# Altium PCB BPod Panel Due.PcbDoc (part 3 of 5)
Units mm, origin at the board's own origin, x right, y up, seen from the top; angles counter-clockwise.
Board outline 420 x 122 mm, 4 copper layers (Top Layer, Layer 2, Layer 3, Bottom Layer), stack 1.571 mm thick; 601 components, 454 nets, 1970 pads, 528 vias.
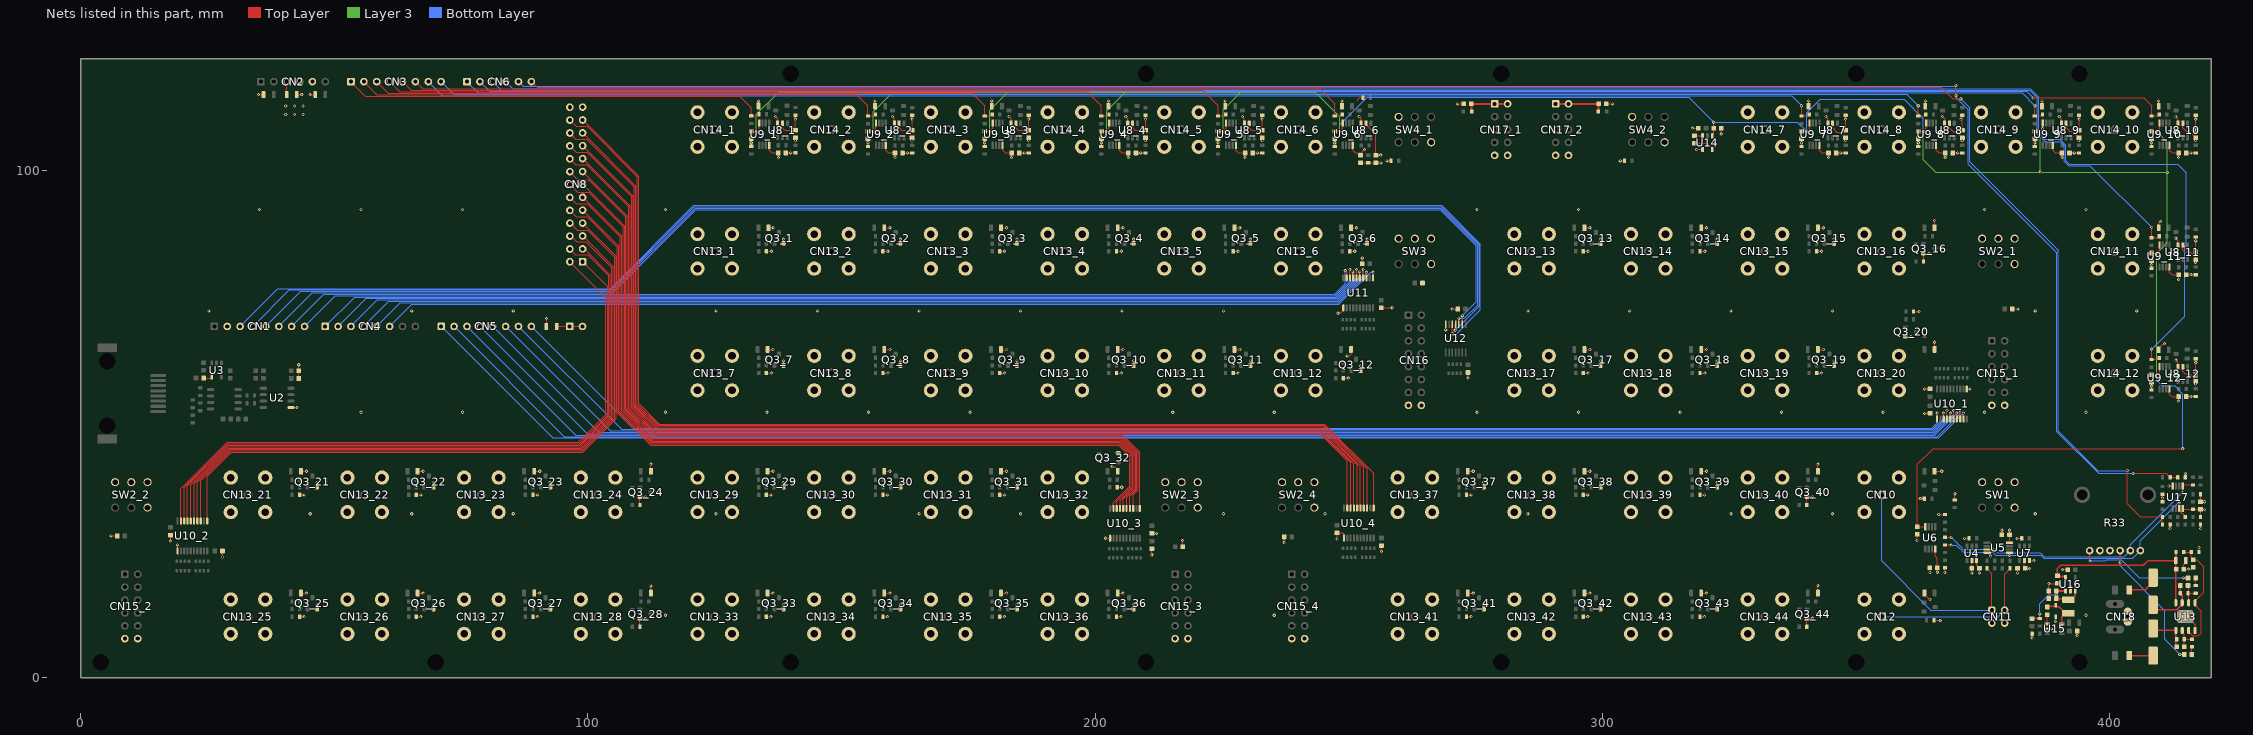
[diagram p5: the nets of this part, all layers, seen from the top]

## Via types
v1: diameter 0.61, hole 0.305, Top Layer to Bottom Layer, tented both sides, 522 vias
v2: diameter 0.5, hole 0.2, Top Layer to Bottom Layer, tented bottom, 6 vias

## Nets (pads, with @x,y where several pads share a name; then routed paths per layer and width w, separated by ;. In a path a pad name is that pad's centre, name@x,y a point inside that pad or via, vN(x,y) a via of type N, cw(c..) or ccw(c..) an arc to the next point about the centre after c; other vN are vias at no path point) (continued)
5V: C2.2 C4.2 C14.2 C15.2 C16.2 C17.2 C19_1.2 C19_2.2 C19_3.2 C19_4.2 C19_5.2 C19_6.2 C19_7.2 C19_8.2 C19_9.2 C19_10.2 C19_11.2 C19_12.2 C20_1.2 C20_2.2 C20_3.2 C20_4.2 C20_5.2 C20_6.2 C20_7.2 C20_8.2 C20_9.2 C20_10.2 C20_11.2 C20_12.2 C50.2 CN2.3 CN7.1 CN7.2 LED1.2 LED2.2 LED3_1.2 LED3_2.2 LED3_3.2 LED3_4.2 LED3_5.2 LED3_6.2 LED3_7.2 LED3_8.2 LED3_9.2 LED3_10.2 LED3_11.2 LED3_12.2 LED3_13.2 LED3_14.2 LED3_15.2 LED3_16.2 LED3_17.2 LED3_18.2 LED3_19.2 LED3_20.2 LED3_21.2 LED3_22.2 LED3_23.2 LED3_24.2 LED3_25.2 LED3_26.2 LED3_27.2 LED3_28.2 LED3_29.2 LED3_30.2 LED3_31.2 LED3_32.2 LED3_33.2 LED3_34.2 LED3_35.2 LED3_36.2 LED3_37.2 LED3_38.2 LED3_39.2 LED3_40.2 LED3_41.2 LED3_42.2 LED3_43.2 LED3_44.2 LED4_1.2 LED4_2.2 LED4_3.2 LED4_4.2 LED4_5.2 LED4_6.2 LED4_7.2 LED4_8.2 LED4_9.2 LED4_10.2 LED4_11.2 LED4_12.2 R8.2 R29_1.2 R29_2.2 R41.2 R48.2 SW2_1.1 SW2_2.1 SW2_3.1 SW2_4.1 SW3.1 SW4_1.6 SW4_2.6 U4.2 U5.8 U6.8 U7.2 U8_1.2 U8_2.2 U8_3.2 U8_4.2 U8_5.2 U8_6.2 U8_7.2 U8_8.2 U8_9.2 U8_10.2 U8_11.2 U8_12.2 U9_1.8 U9_2.8 U9_3.8 U9_4.8 U9_5.8 U9_6.8 U9_7.8 U9_8.8 U9_9.8 U9_10.8 U9_11.8 U9_12.8 U17.8 | length 201.2
  Top Layer w0.152: C2.2@40.596,114.875 CN2.3@40.596,117.443 ; LED3_25.2@43.6,16.65 v1(44.5,16.65) ; LED3_21.2@43.6,40.65 v1(44.5,40.65) ; LED3_26.2@66.6,16.65 v1(67.5,16.65) ; LED3_22.2@66.6,40.65 v1(67.5,40.65) ; LED3_27.2@89.6,16.65 v1(90.5,16.65) ; LED3_23.2@89.6,40.65 v1(90.5,40.65) ; C4.2@93.825,69.198 CN7.2@98.936,69.198 ; LED3_28.2@112.425,16.651 LED3_28.2@112.425,16.653 v1(112.425,18.075) ; LED3_24.2@112.425,40.651 LED3_24.2@112.425,40.654 v1(112.425,42.075) ; LED4_1.2@133.6,112.65 v1(133.6,113.65) ; LED3_33.2@135.6,16.65 v1(136.5,16.65) ; LED3_29.2@135.6,40.65 v1(136.5,40.65) ; LED3_7.2@135.6,64.65 v1(136.5,64.65) ; LED3_1.2@135.6,88.65 v1(136.5,88.65) ; U9_1.8@135.725,104.9 135.725,103.9 136.225,103.4 C20_1.2@137.525,103.4 v1(137.525,102.462) ; U8_1.2@138.35,109.275 138.35,108.325 138.775,107.9 139.7,107.9 C19_1.2@140.875,106.725 ; v1(140.875,105.85) C19_1.2@140.875,106.725 ; C19_1.2@140.9,106.725 C19_1.2@140.875,106.725 ; LED4_2.2@156.6,112.65 v1(156.6,113.65) ; LED3_34.2@158.6,16.65 v1(159.5,16.65) ; LED3_30.2@158.6,40.65 v1(159.5,40.65) ; LED3_8.2@158.6,64.65 v1(159.5,64.65) ; LED3_2.2@158.6,88.65 v1(159.5,88.65) ; U9_2.8@158.725,104.9 158.725,103.9 159.225,103.4 C20_2.2@160.525,103.4 ; U8_2.2@161.35,109.275 U8_2.2@161.35,109.25 161.35,108.325 161.775,107.9 162.7,107.9 C19_2.2@163.875,106.725 ; v1(163.875,105.85) C19_2.2@163.875,106.725 ; C19_2.2@163.9,106.725 C19_2.2@163.875,106.725 ; LED4_3.2@179.6,112.65 v1(179.6,113.65) ; LED3_35.2@181.6,16.65 v1(182.5,16.65) ; LED3_31.2@181.6,40.65 v1(182.5,40.65) ; LED3_9.2@181.6,64.65 v1(182.5,64.65) ; LED3_3.2@181.6,88.65 v1(182.5,88.65) ; U9_3.8@181.725,104.9 181.725,103.9 182.225,103.4 183.525,103.4 C20_3.2@183.525,103.375 v1(183.525,102.462) ; U8_3.2@184.35,109.275 U8_3.2@184.35,109.25 184.35,108.325 184.775,107.9 185.7,107.9 C19_3.2@186.875,106.725 ; v1(186.875,105.85) C19_3.2@186.875,106.725 ; C19_3.2@186.9,106.725 C19_3.2@186.875,106.725 ; LED4_4.2@202.6,112.65 v1(202.6,113.65) ; v1(203.308,41.608) 203.396,41.521 203.832,41.521 204.3,41.053 LED3_32.2@204.3,40.65 ; LED3_36.2@204.6,16.65 v1(205.5,16.65) ; LED3_10.2@204.6,64.65 v1(205.5,64.65) ; LED3_4.2@204.6,88.65 v1(205.5,88.65) ; U9_4.8@204.725,104.9 204.725,103.9 205.225,103.4 206.525,103.4 C20_4.2@206.525,103.375 v1(206.525,102.462) ; U8_4.2@207.35,109.275 U8_4.2@207.35,109.25 207.35,108.325 207.775,107.9 208.7,107.9 C19_4.2@209.875,106.725 ; v1(209.875,105.85) C19_4.2@209.875,106.725 ; C19_4.2@209.9,106.725 C19_4.2@209.875,106.725 ; LED4_5.2@225.6,112.65 v1(225.6,113.65) ; LED3_11.2@227.6,64.65 v1(228.5,64.65) ; LED3_5.2@227.6,88.65 v1(228.5,88.65) ; U9_5.8@227.725,104.9 227.725,103.9 228.225,103.4 229.525,103.4 C20_5.2@229.525,103.375 v1(229.525,102.462) ; U8_5.2@230.35,109.275 U8_5.2@230.35,109.25 230.35,108.325 230.775,107.9 231.7,107.9 C19_5.2@232.875,106.725 ; v1(232.875,105.85) C19_5.2@232.875,106.725 ; C19_5.2@232.9,106.725 C19_5.2@232.875,106.725 ; LED4_6.2@248.6,112.65 v1(248.6,113.65) ; v1(249.65,63.4) 250.097,63.4 250.425,63.728 LED3_12.2@250.425,64.657 ; LED3_6.2@250.6,88.65 v1(251.5,88.65) ; U9_6.8@250.725,104.9 250.725,103.9 251.225,103.4 C20_6.2@252.525,103.4 ; C20_6.2@252.3,103.375 252.345,103.375 253.02,104.05 v1(253.05,104.05) ; U8_6.2@253.35,109.275 U8_6.2@253.35,109.25 253.35,109.025 253.574,108.801 255.3,107.075 255.3,105.975 C19_6.2@255.3,102.95 ; C19_6.2@255.45,102.95 v1(256.275,102.95) ; v1(257.475,101.825) R29_1.2@258.3,101.825 ; LED3_41.2@273.6,16.65 v1(274.5,16.65) ; LED3_37.2@273.6,40.65 v1(274.5,40.65) ; LED3_42.2@296.6,16.65 v1(297.5,16.65) ; LED3_38.2@296.6,40.65 v1(297.5,40.65) ; LED3_17.2@296.6,64.65 v1(297.5,64.65) ; LED3_13.2@296.6,88.65 v1(297.5,88.65) ; v1(303.475,101.825) R29_2.2@304.3,101.825 ; LED3_43.2@319.6,16.65 v1(320.5,16.65) ; LED3_39.2@319.6,40.65 v1(320.5,40.65) ; LED3_18.2@319.6,64.65 v1(320.5,64.65) ; LED3_14.2@319.6,88.65 v1(320.5,88.65) ; LED4_7.2@340.6,112.65 v1(340.6,113.65) ; LED3_44.2@342.425,16.751 v1(342.425,18.175) ; LED3_40.2@342.425,40.651 v1(342.425,42.075) ; LED3_19.2@342.6,64.65 v1(343.5,64.65) ; LED3_15.2@342.6,88.65 v1(343.5,88.65) ; U9_7.8@342.725,104.9 342.725,103.9 343.225,103.4 344.525,103.4 C20_7.2@344.525,103.375 v1(344.525,102.462) ; U8_7.2@345.35,109.275 U8_7.2@345.35,109.25 345.35,108.325 346.175,107.5 346.775,107.5 347.501,106.774 347.501,106.768 C19_7.2@347.875,106.395 ; v1(347.875,105.85) C19_7.2@347.875,106.395 ; C19_7.2@347.875,106.725 C19_7.2@347.875,106.395 ; C19_7.2@347.9,106.375 347.895,106.375 C19_7.2@347.875,106.395 ; LED2.2@363.425,16.45 363.425,16.384 364.434,15.375 v1(364.5,15.375) ; LED4_8.2@363.6,112.65 v1(363.6,113.65) ; LED1.2@365.425,40.651 v1(366.849,40.651) ; LED3_20.2@365.425,64.655 v1(365.425,66.079) ; LED3_16.2@365.425,88.651 LED3_16.2@365.425,88.656 v1(365.425,90.075) ; U6.8@365.563,25.325 365.563,23.887 365.975,23.475 v1(365.975,20.75) ; U9_8.8@365.725,104.9 365.725,103.9 366.225,103.4 367.525,103.4 C20_8.2@367.525,103.375 v1(367.525,102.462) ; U8_8.2@368.35,109.275 U8_8.2@368.35,109.25 368.35,108.325 369.1,107.575 369.7,107.575 370.501,106.774 370.501,106.768 C19_8.2@370.875,106.395 ; R8.2@369.406,35.006 v1@369.406,36.219 ; v1(370.875,105.85) C19_8.2@370.875,106.395 ; C19_8.2@370.875,106.725 C19_8.2@370.875,106.395 ; C19_8.2@370.9,106.375 370.895,106.375 C19_8.2@370.875,106.395 ; v1(372.775,20.625) C15.2@372.775,21.525 U4.2@372.775,23.05 ; U5.8@380.2,26.55 C16.2@380.2,28.125 v1(380.2,29.025) ; U7.2@383.15,23.05 383.15,21.65 C14.2@383.275,21.525 v1(384.175,21.525) ; LED4_9.2@386.6,112.65 v1(386.6,113.65) ; U9_9.8@388.725,104.9 388.725,103.9 389.225,103.4 390.525,103.4 C20_9.2@390.525,103.375 v1(390.525,102.462) ; U8_9.2@391.35,109.275 U8_9.2@391.35,109.25 391.35,108.325 392.05,107.625 392.65,107.625 393.501,106.774 393.501,106.768 C19_9.2@393.875,106.395 ; v1(393.875,105.85) C19_9.2@393.875,106.395 ; C19_9.2@393.875,106.725 C19_9.2@393.875,106.395 ; C19_9.2@393.9,106.375 393.895,106.375 C19_9.2@393.875,106.395 ; LED4_12.2@409.6,64.859 409.6,64.891 409.897,65.188 409.929,65.188 410.421,65.68 410.456,65.68 410.601,65.825 v1(410.725,65.825) ; LED4_11.2@409.6,88.65 409.6,89.5 v1(409.95,89.85) ; LED4_10.2@409.6,112.65 v1(409.6,113.65) ; U9_12.8@411.725,56.875 411.725,55.875 412.225,55.375 C20_12.2@413.525,55.375 ; U9_11.8@411.725,80.875 411.725,79.875 412.225,79.375 C20_11.2@413.525,79.375 ; U9_10.8@411.725,104.9 411.725,103.9 412.225,103.4 413.525,103.4 C20_10.2@413.525,103.375 v1(413.525,102.462) ; v1(413.525,54.462) C20_12.2@413.525,55.375 ; C20_12.2@413.525,55.4 C20_12.2@413.525,55.375 ; v1(413.525,78.462) C20_11.2@413.525,79.375 ; C20_11.2@413.525,79.4 C20_11.2@413.525,79.375 ; U17.8@414.325,33.35 414.325,33.299 414.474,33.15 R41.2@416.35,33.15 C50.2@417.85,33.15 ; U8_12.2@414.35,61.275 U8_12.2@414.35,61.25 414.35,60.325 414.775,59.9 415.7,59.9 C19_12.2@416.875,58.725 ; U8_11.2@414.35,85.275 U8_11.2@414.35,85.25 414.35,84.325 414.775,83.9 415.7,83.9 C19_11.2@416.875,82.725 ; U8_10.2@414.35,109.275 U8_10.2@414.35,109.25 414.35,108.325 415.125,107.55 415.725,107.55 416.501,106.774 416.501,106.768 C19_10.2@416.875,106.395 ; v1(416.875,57.85) C19_12.2@416.875,58.725 ; v1(416.875,81.85) C19_11.2@416.875,82.725 ; v1(416.875,105.85) C19_10.2@416.875,106.395 ; C19_10.2@416.875,106.725 C19_10.2@416.875,106.395 ; C19_12.2@416.9,58.725 C19_12.2@416.875,58.725 ; C19_11.2@416.9,82.725 C19_11.2@416.875,82.725 ; C19_10.2@416.9,106.375 416.895,106.375 C19_10.2@416.875,106.395 ; R48.2@417.85,31.65 C50.2@417.85,33.15 ; v1@418.65,33.175 v1(418.625,33.15) C50.2@417.85,33.15 ; C20_2.2@160.525,103.4 v1(160.525,102.462) C20_2.2@160.525,103.375 C20_2.2@160.525,103.4
  other v1: 369.413,36.225 40.45,110.975 42.138,110.975 43.825,110.975 40.45,112.65 42.138,112.65 43.825,112.65
5V76: C44.2 C45.2 C49.1 L1.2 R39.2 U16.1 U16.3 | length 16.7
  Top Layer w0.152: C44.2@384.65,11.625 384.675,11.65 R39.2@386.15,11.65 v1(386.15,12.55)
  Top Layer w0.305: U16.1@391.25,17.05 C49.1@389.45,17.05 v1(389.45,16.3) C45.2@389.45,15.55 389.488,15.513 391.638,15.513 L1.2@391.8,15.35 392.353,15.35 393.147,16.143 U16.3@393.147,17.047
  Bottom Layer w0.152: v1(386.15,12.55) 386.15,14.5 387.95,16.3 v1(389.45,16.3)
-3V3: C18.1 C21_1.1 C21_2.1 C21_3.1 C21_4.1 C21_5.1 C21_6.1 C21_7.1 C21_8.1 C21_9.1 C21_10.1 C21_11.1 C21_12.1 C40.1 U6.4 U9_1.4 U9_2.4 U9_3.4 U9_4.4 U9_5.4 U9_6.4 U9_7.4 U9_8.4 U9_9.4 U9_10.4 U9_11.4 U9_12.4 U14.1 | length 532.7
  Top Layer w0.152: C21_1.1@132.2,107.7 132.275,107.625 v1(133.225,107.625) ; v1@133.225,107.7 133.3,107.7 133.775,108.175 U9_1.4@133.775,109.3 ; C21_2.1@155.2,107.675 156.225,107.675 156.775,108.225 U9_2.4@156.775,109.3 ; C21_2.1@155.427,107.625 v1(156.225,107.625) ; C21_3.1@178.225,107.7 178.2,107.7 178.275,107.625 v1(179.225,107.625) ; v1@179.225,107.675 179.775,108.225 U9_3.4@179.775,109.023 ; U9_3.4@179.638,108.886 U9_3.4@179.775,109.023 ; U9_3.4@179.775,109.3 U9_3.4@179.775,109.023 ; C21_4.1@201.225,107.7 201.2,107.7 201.275,107.625 v1(202.225,107.625) ; v1@202.225,107.675 202.775,108.225 U9_4.4@202.775,109.023 ; U9_4.4@202.638,108.886 U9_4.4@202.775,109.023 ; U9_4.4@202.775,109.3 U9_4.4@202.775,109.023 ; C21_5.1@224.225,107.7 224.2,107.7 224.275,107.625 v1(225.225,107.625) ; v1@225.225,107.675 225.775,108.225 U9_5.4@225.775,109.023 ; U9_5.4@225.638,108.886 U9_5.4@225.775,109.023 ; U9_5.4@225.775,109.3 U9_5.4@225.775,109.023 ; C21_6.1@247.225,107.7 247.2,107.7 247.275,107.625 v1(248.225,107.625) ; v1@248.225,107.675 248.775,108.225 U9_6.4@248.775,109.023 ; U9_6.4@248.638,108.886 U9_6.4@248.775,109.023 ; U9_6.4@248.775,109.3 U9_6.4@248.775,109.023 ; U14.1@321.6,106.775 321.6,107.033 321.875,107.308 C40.1@321.875,108.275 v1(321.875,109.45) ; C21_7.1@339.225,107.7 339.2,107.7 339.275,107.625 v1(340.225,107.625) ; v1@340.225,107.675 340.775,108.225 U9_7.4@340.775,109.023 ; U9_7.4@340.638,108.886 U9_7.4@340.775,109.023 ; U9_7.4@340.775,109.3 U9_7.4@340.775,109.023 ; C21_8.1@362.225,107.7 362.2,107.7 362.275,107.625 v1(363.225,107.625) ; v1@363.225,107.675 363.775,108.225 U9_8.4@363.775,109.023 ; U6.4@363.619,29.719 U6.4@363.613,29.725 C18.1@362,29.725 362,42 365.125,45.125 v1(414.35,45.125) ; U9_8.4@363.638,108.886 U9_8.4@363.775,109.023 ; U9_8.4@363.775,109.3 U9_8.4@363.775,109.023 ; C21_9.1@385.225,107.7 385.3,107.625 386.172,107.625 v1(386.701,108.153) 386.738,108.19 386.738,109.263 U9_9.4@386.775,109.3 ; 386.225,107.675 v1(386.701,108.153) ; C21_12.1@408.225,59.7 408.2,59.7 408.275,59.625 v1(409.225,59.625) ; C21_11.1@408.225,83.7 408.2,83.7 408.275,83.625 v1(409.225,83.625) ; C21_10.1@408.225,107.7 408.2,107.7 408.275,107.625 v1(409.225,107.625) ; v1@409.225,59.65 409.775,60.2 U9_12.4@409.775,61.023 ; v1@409.225,83.65 409.775,84.2 U9_11.4@409.775,85.023 ; v1@409.225,107.675 409.775,108.225 U9_10.4@409.775,109.023 ; U9_12.4@409.638,60.886 U9_12.4@409.775,61.023 ; U9_11.4@409.638,84.886 U9_11.4@409.775,85.023 ; U9_10.4@409.638,108.886 U9_10.4@409.775,109.023 ; U9_12.4@409.775,61.275 U9_12.4@409.775,61.023 ; U9_12.4@409.775,61.3 U9_12.4@409.775,61.023 ; U9_11.4@409.775,85.275 U9_11.4@409.775,85.023 ; U9_11.4@409.775,85.3 U9_11.4@409.775,85.023 ; U9_10.4@409.775,109.3 U9_10.4@409.775,109.023
  Layer 3 w0.152: v1(133.225,107.625) 133.225,111 137.6,115.375 160.125,115.375 ; v1(156.225,107.625) 156.225,111.475 160.125,115.375 ; v1(179.225,107.625) 179.225,111.825 182.775,115.375 ; v1(202.225,107.625) 202.287,107.687 202.287,111.713 205.949,115.375 ; v1(225.225,107.625) 225.225,111.9 228.7,115.375 ; v1(248.225,107.625) 248.225,110.525 243.375,115.375 228.7,115.375 ; v1(363.225,107.625) 363.225,102.05 365.675,99.6 386.136,99.6 v1(386.225,99.6) ; v1(386.701,108.153) 386.225,107.678 v1(386.225,99.6) ; v1(409.225,59.625) v1(409.225,83.625) 411.3,85.7 v1(411.3,99.563) 411.3,105.55 v1(409.225,107.625) ; v1@411.225,99.6 v1(386.225,99.6) ; 160.125,115.375 182.775,115.375 ; 182.775,115.375 205.949,115.375 ; 205.949,115.375 228.7,115.375
  Bottom Layer w0.152: v1(248.225,107.625) 248.225,108.97 253.645,114.39 316.935,114.39 v1(321.875,109.45) 338.4,109.45 v1(340.225,107.625) 340.225,111.3 342.875,113.95 359.45,113.95 363.225,110.175 v1(363.225,107.625) ; v1(409.225,59.625) 409.225,58.595 410.35,57.47 412.735,57.47 414.35,55.856 v1(414.35,45.125)
A0: CN3.1 R23_1.2 R26_1.2 | length 84.3
  Top Layer w0.152: CN3.1@53.296,117.443 56.136,114.603 129.947,114.603 132.2,112.35 R26_1.2@132.2,110.7 133.452,110.7 133.7,110.948 R23_1.2@133.7,111
A1: CN3.2 R23_2.2 R26_2.2 | length 105
  Top Layer w0.152: CN3.2@55.836,117.443 58.397,114.882 153.018,114.882 155.2,112.7 155.2,110.7 156.452,110.7 156.7,110.948 R23_2.2@156.7,111
A2: CN3.3 R23_3.2 R26_3.2 | length 125.4
  Top Layer w0.152: CN3.3@58.376,117.443 60.657,115.162 175.738,115.162 178.2,112.7 178.2,110.7 179.452,110.7 179.7,110.948 R23_3.2@179.7,111
A3: CN3.4 R23_4.2 R26_4.2 | length 145.9
  Top Layer w0.152: CN3.4@60.916,117.443 62.918,115.441 198.459,115.441 201.2,112.7 201.2,110.7 202.452,110.7 202.7,110.948 R23_4.2@202.7,111
A4: CN3.5 R23_5.2 R26_5.2 | length 166.4
  Top Layer w0.152: CN3.5@63.456,117.443 65.178,115.721 221.179,115.721 224.2,112.7 224.2,110.7 225.452,110.7 225.7,110.948 R23_5.2@225.7,111
A5: CN3.6 R23_6.2 R26_6.2 | length 187.1
  Top Layer w0.152: CN3.6@65.996,117.443 67.439,116 244.325,116 247.2,113.125 247.2,110.7 248.452,110.7 248.7,110.948 R23_6.2@248.7,111
A6: CN3.7 R23_7.2 R26_7.2 | length 276.3
  Top Layer w0.152: v1(339.2,112.7) 339.2,110.7 340.452,110.7 340.7,110.948 R23_7.2@340.7,111
  Bottom Layer w0.152: CN3.7@68.536,117.443 71.31,114.669 337.231,114.669 v1(339.2,112.7)
A7: CN3.8 R23_8.2 R26_8.2 | length 296.7
  Top Layer w0.152: v1(362.2,112.7) 362.2,110.7 363.452,110.7 363.7,110.948 R23_8.2@363.7,111
  Bottom Layer w0.152: CN3.8@71.076,117.443 73.57,114.949 359.951,114.949 v1(362.2,112.7)
A8: CN6.1 R23_9.2 R26_9.2 | length 314.7
  Top Layer w0.152: v1(385.2,112.7) 385.2,110.7 386.452,110.7 386.7,110.948 R23_9.2@386.7,111
  Bottom Layer w0.152: CN6.1@76.156,117.443 78.371,115.228 382.672,115.228 v1(385.2,112.7)
A9: CN6.2 R23_10.2 R26_10.2 | length 335.1
  Top Layer w0.152: v1(384.85,114.225) 406.675,114.225 408.2,112.7 408.2,110.7 409.452,110.7 409.7,110.948 R23_10.2@409.7,111
  Bottom Layer w0.152: CN6.2@78.696,117.443 80.632,115.507 383.568,115.507 v1(384.85,114.225)
A10: CN6.3 R23_11.2 R26_11.2 | length 348.5
  Top Layer w0.152: v1(408.2,88.7) 408.2,86.7 409.452,86.7 409.7,86.948 R23_11.2@409.7,87
  Bottom Layer w0.152: CN6.3@81.236,117.443 82.892,115.787 384.163,115.787 385.708,114.242 385.708,107.112 387.245,105.575 390.225,105.575 391.033,104.767 391.033,101.717 391.875,100.875 396.025,100.875 v1(408.2,88.7)
A11: CN6.4 R23_12.2 R26_12.2 | length 385.9
  Top Layer w0.152: v1(408.2,64.7) 408.2,62.7 409.452,62.7 409.7,62.948 R23_12.2@409.7,63
  Bottom Layer w0.152: CN6.4@83.776,117.443 85.153,116.066 384.279,116.066 385.987,114.358 385.987,107.228 387.154,106.061 390.134,106.061 391.312,104.883 391.312,101.838 391.996,101.154 413.371,101.154 415,99.525 415,85.175 414.7,84.875 414.7,71.2 v1(408.2,64.7)
AVCOM+_1: C30_1.2 CN17_1.1 CN17_1.2 FB1_1.2 | length 8.6
  Top Layer w0.381: FB1_1.2@274.225,111.575 274.175,111.625 274.175,113.025 274.23,113.08 CN17_1.1@278.73,113.08 CN17_1.2@281.27,113.08
AVCOM+_2: C30_2.2 CN17_2.1 CN17_2.2 FB1_2.2 | length 9.9
  Top Layer w0.381: CN17_2.1@290.73,113.08 CN17_2.2@293.27,113.08 C30_2.2@299.125,113.08 ; FB1_2.2@299.125,111.58 299.175,111.63 299.175,113.03 C30_2.2@299.225,113.08
AVDD: C31.2 C32.2 C46.2 R34.2 U13.8 U16.5 | length 37
  Top Layer w0.305: U16.5@391.25,19.75 391.088,19.913 389.788,19.913 C46.2@389.65,20.05 389.65,21.5 390.275,22.125 406.575,22.125 407.475,23.025 C31.2@412.97,23.025 413.007,23.062 413.007,24.707 R34.2@413.025,24.725 ; U13.8@412.97,14.725 412.97,21.325 C31.2@412.97,22.905
D2: CN4.6 U11.1 | length 199.4
  Top Layer w0.152: U11.1@254.75,78.775 v1(254.75,79.9)
  Bottom Layer w0.152: CN4.6@60.916,69.198 65.305,73.587 248.012,73.587 254.313,79.888 254.738,79.888 v1(254.75,79.9)
D3: CN4.5 U11.3 | length 200.9
  Top Layer w0.152: U11.3@253.45,78.775 v1(253.45,79.9)
  Bottom Layer w0.152: CN4.5@58.376,69.198 63.044,73.866 247.896,73.866 253.45,79.42 v1(253.45,79.9)
D4: CN4.4 U11.4 | length 204
  Top Layer w0.152: U11.4@252.8,78.775 v1(252.8,80.4)
  Bottom Layer w0.152: CN4.4@55.836,69.198 60.784,74.146 247.78,74.146 252.8,79.165 v1(252.8,80.4)
D5: CN4.3 U11.5 | length 205.1
  Top Layer w0.152: v1(252.09,79.96) 252.15,79.9 U11.5@252.15,78.775
  Bottom Layer w0.152: CN4.3@53.296,69.198 58.523,74.425 247.665,74.425 252.09,78.851 v1(252.09,79.96)
D6: CN4.2 U11.6 | length 208
  Top Layer w0.152: U11.6@251.5,78.775 v1(251.5,80.4)
  Bottom Layer w0.152: CN4.2@50.756,69.198 56.262,74.704 247.549,74.704 251.5,78.656 v1(251.5,80.4)
D7: CN4.1 U11.7 | length 209.2
  Top Layer w0.152: v1(250.79,79.96) 250.85,79.9 U11.7@250.85,78.775
  Bottom Layer w0.152: CN4.1@48.216,69.198 54.002,74.984 247.433,74.984 250.79,78.341 v1(250.79,79.96)
D8: CN1.8 U11.8 | length 213.6
  Top Layer w0.152: U11.8@250.2,78.775 v1(250.2,80.4)
  Bottom Layer w0.152: CN1.8@44.152,69.198 50.217,75.263 247.317,75.263 250.2,78.146 v1(250.2,80.4)
D9: CN1.7 U11.9 | length 215.2
  Top Layer w0.152: v1(249.266,80.184) 249.266,80.151 249.55,79.866 U11.9@249.55,78.775
  Bottom Layer w0.152: CN1.7@41.612,69.198 47.957,75.543 247.202,75.543 249.266,77.607 v1(249.266,80.184)
D10: CN1.6 U12.2 | length 265.1
  Top Layer w0.152: U12.2@272.325,69.65 v1(272.325,71.283)
  Bottom Layer w0.152: CN1.6@39.072,69.198 45.696,75.822 104.847,75.822 121.23,92.204 267.946,92.204 275.075,85.075 275.075,74.025 272.333,71.283 v1(272.325,71.283)
D11: CN1.5 U12.3 | length 269.2
  Top Layer w0.152: U12.3@271.675,69.65 v1(271.675,70.775)
  Bottom Layer w0.152: CN1.5@36.532,69.198 43.435,76.101 104.731,76.101 121.114,92.484 268.061,92.484 275.354,85.191 275.354,73.404 272.725,70.775 v1(271.675,70.775)
D12: CN1.4 U12.4 | length 274.5
  Top Layer w0.152: v1(270.925,68.45) 270.975,68.5 270.975,69.6 U12.4@271.025,69.65
  Bottom Layer w0.152: CN1.4@33.992,69.198 41.175,76.381 104.581,76.381 120.963,92.763 268.177,92.763 275.634,85.306 275.634,73.159 v1(270.925,68.45)
D13: CN1.3 U12.5 | length 279.8
  Top Layer w0.152: U12.5@270.375,69.65 270.4,69.625 270.4,67.775 v1(270.425,67.75)
  Bottom Layer w0.152: CN1.3@31.452,69.198 38.914,76.66 104.465,76.66 120.848,93.043 268.293,93.043 275.913,85.422 275.913,72.463 271.2,67.75 v1(270.425,67.75)
D14: CN5.1 U10_1.9 | length 312.3
  Top Layer w0.152: U10_1.9@371.125,50.975 v1(371.125,52.1)
  Bottom Layer w0.152: CN5.1@71.076,69.198 93.061,47.213 366.238,47.213 v1(371.125,52.1)
D15: CN5.2 U10_1.8 | length 309.9
  Top Layer w0.152: U10_1.8@370.475,50.975 v1(370.475,52.6)
  Bottom Layer w0.152: CN5.2@73.616,69.198 95.321,47.493 365.936,47.493 370.475,52.032 v1(370.475,52.6)
D16: CN5.3 U10_1.7 | length 305.5
  Top Layer w0.152: U10_1.7@369.825,50.975 v1(369.825,52.1)
  Bottom Layer w0.152: CN5.3@76.156,69.198 97.582,47.772 365.497,47.772 v1(369.825,52.1)
D17: CN5.4 U10_1.6 | length 303.2
  Top Layer w0.152: U10_1.6@369.175,50.975 v1(369.175,52.6)
  Bottom Layer w0.152: CN5.4@78.696,69.198 99.843,48.051 365.372,48.051 368.804,51.484 369.175,51.855 v1(369.175,52.6)
D18: CN5.5 U10_1.5 | length 298.9
  Top Layer w0.152: U10_1.5@368.525,50.975 v1(368.525,52.1)
  Bottom Layer w0.152: CN5.5@81.236,69.198 102.103,48.331 365.256,48.331 368.525,51.6 v1(368.525,52.1)